# Altium PCB 3 motors 1 board.PcbDocFinal.PcbDoc
Units mil, origin at the board's own origin, x right, y up, seen from the top; angles counter-clockwise.
Board outline 4145 x 3550 mil, 4 copper layers (Top Layer, GND, PWR, Bottom Layer), stack 37.817 mil thick; 71 components, 55 nets, 301 pads, 106 vias.
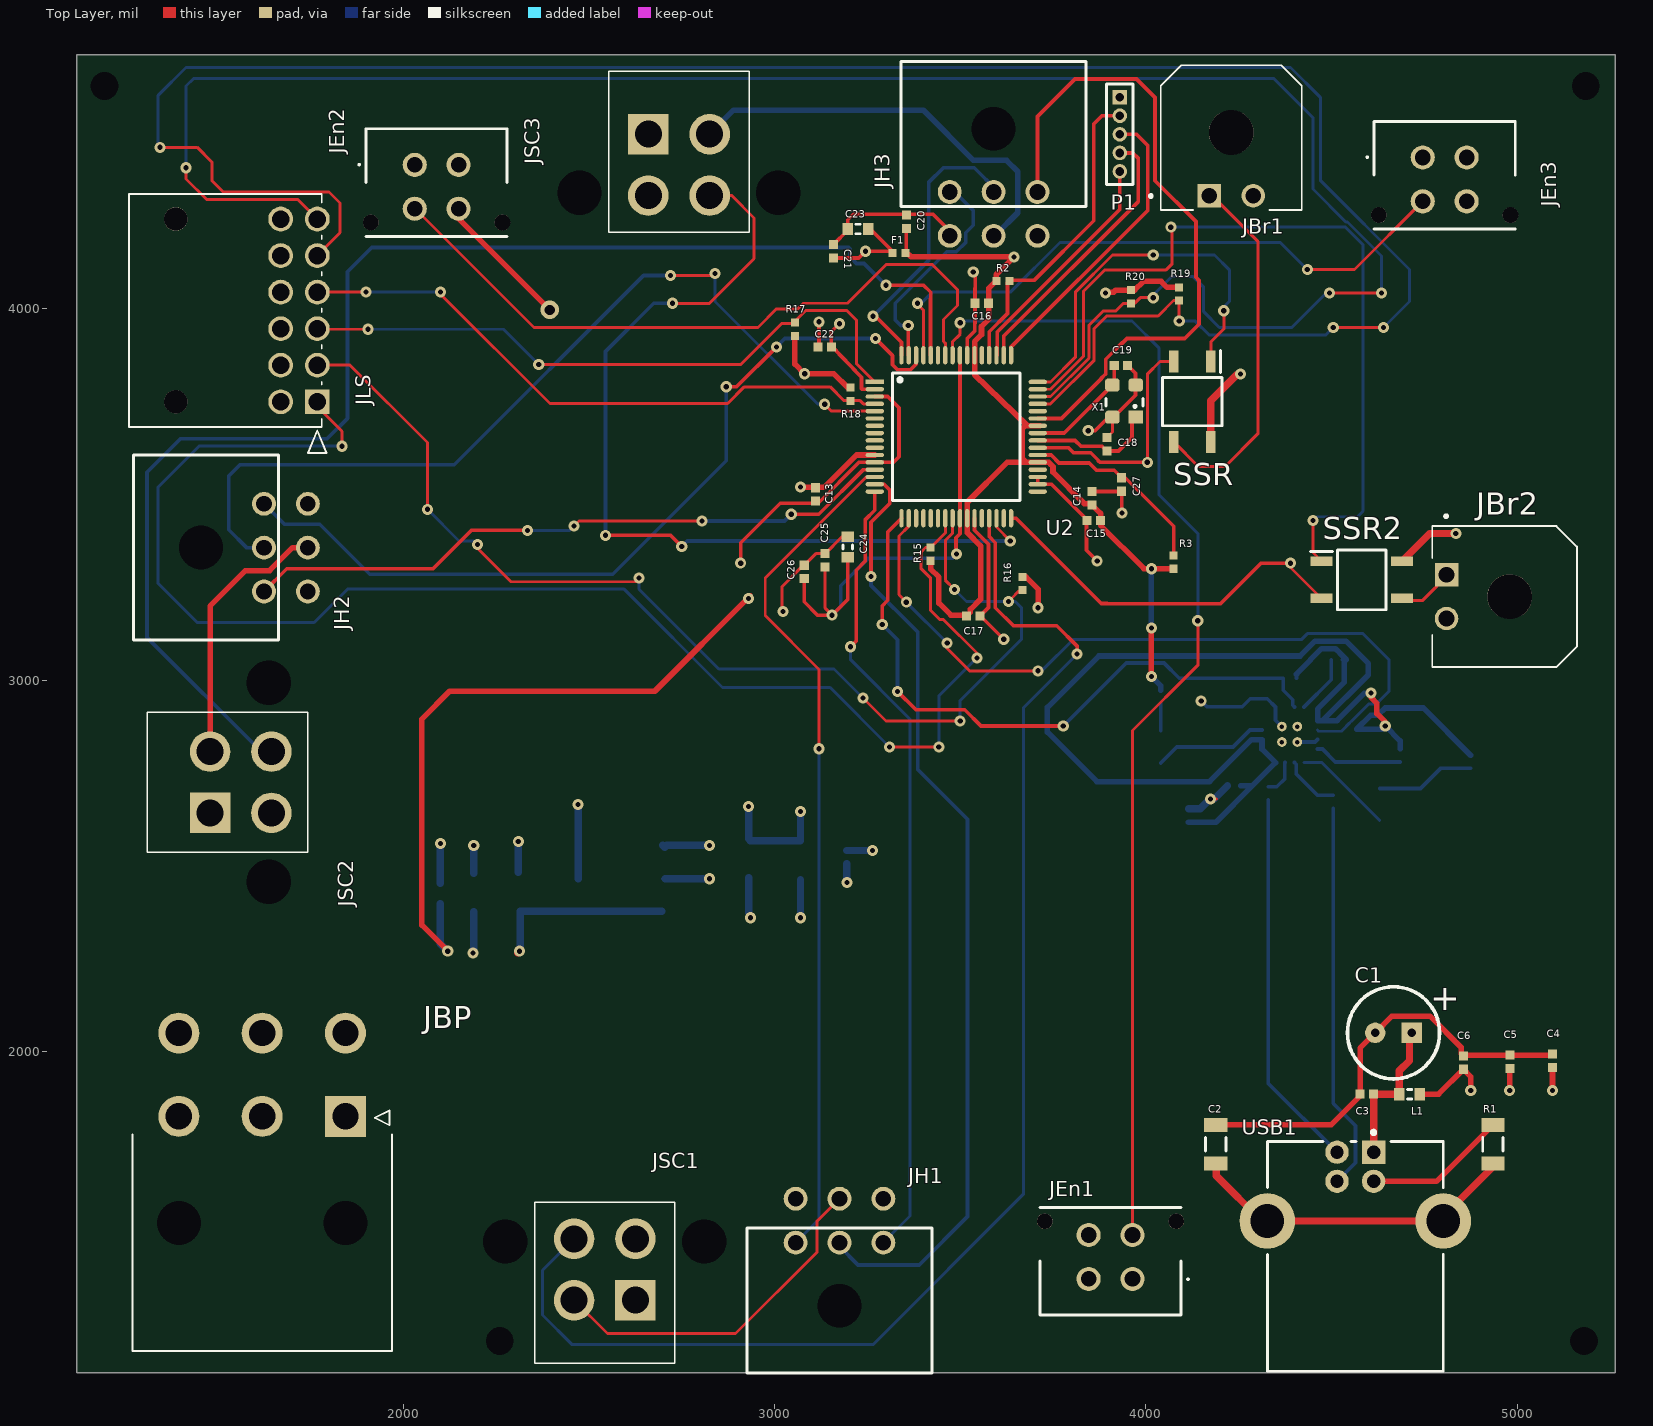
[diagram p0: Top Layer view]
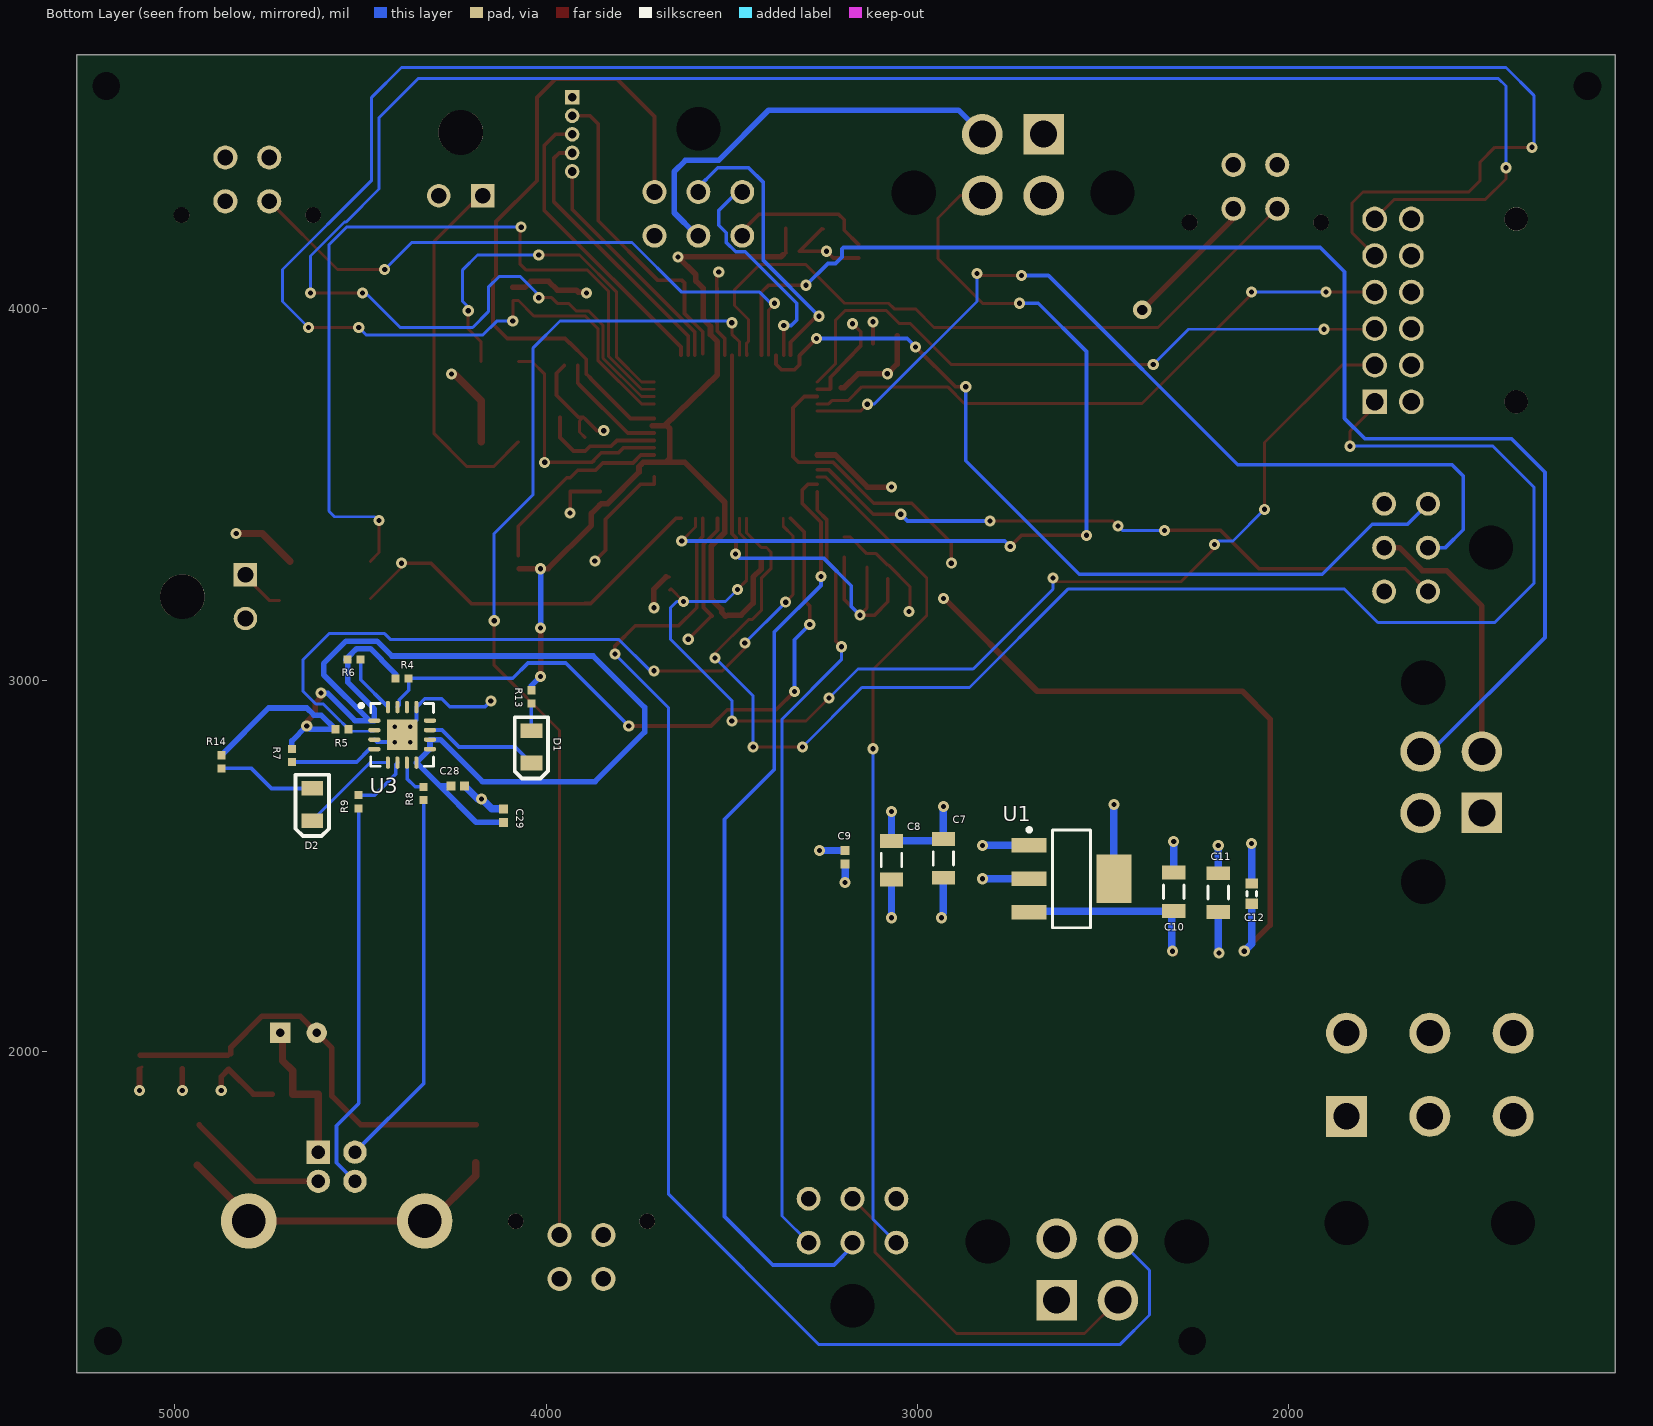
[diagram p1: Bottom Layer view, seen from below]
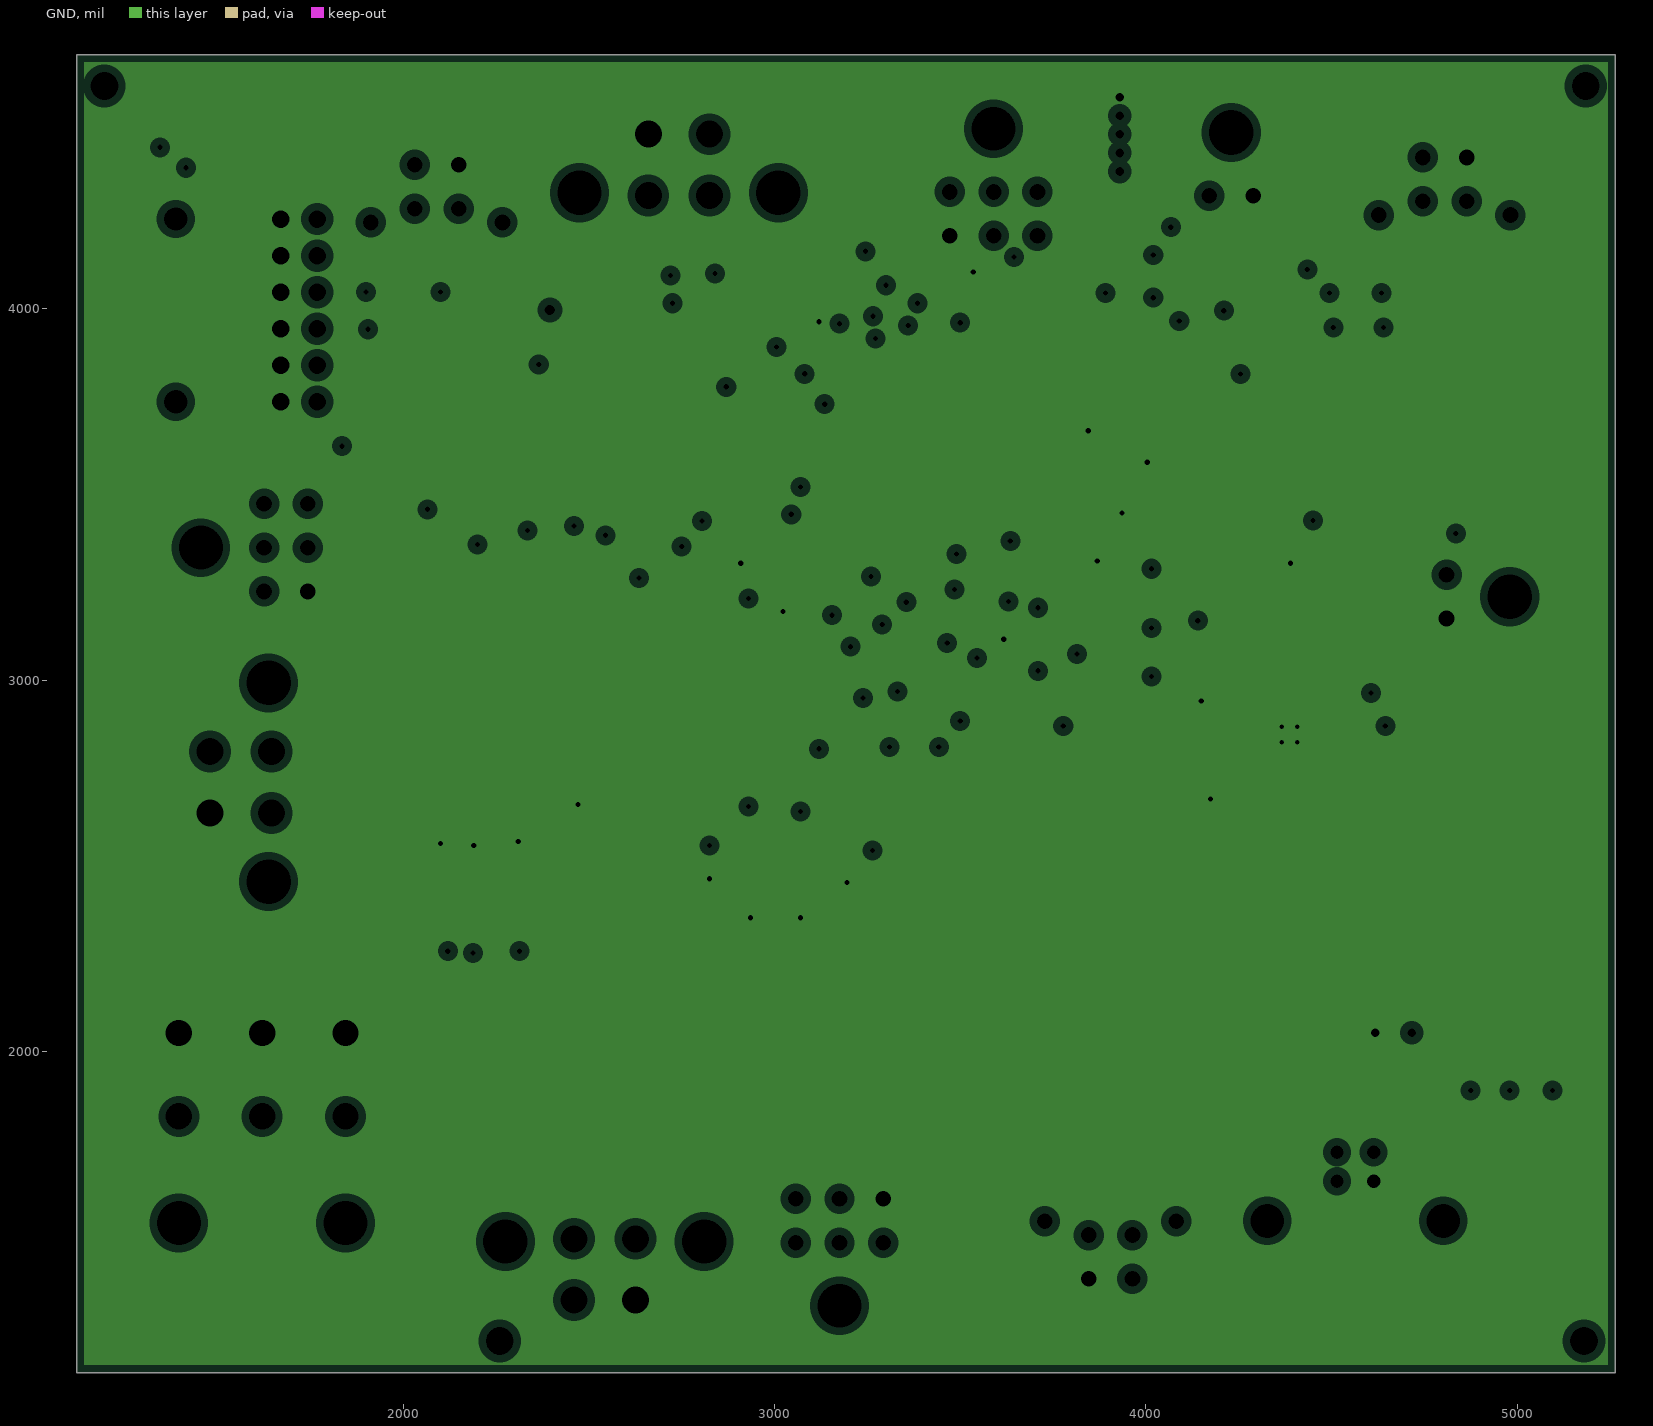
[diagram p2: GND, clearances drawn from the general rule]
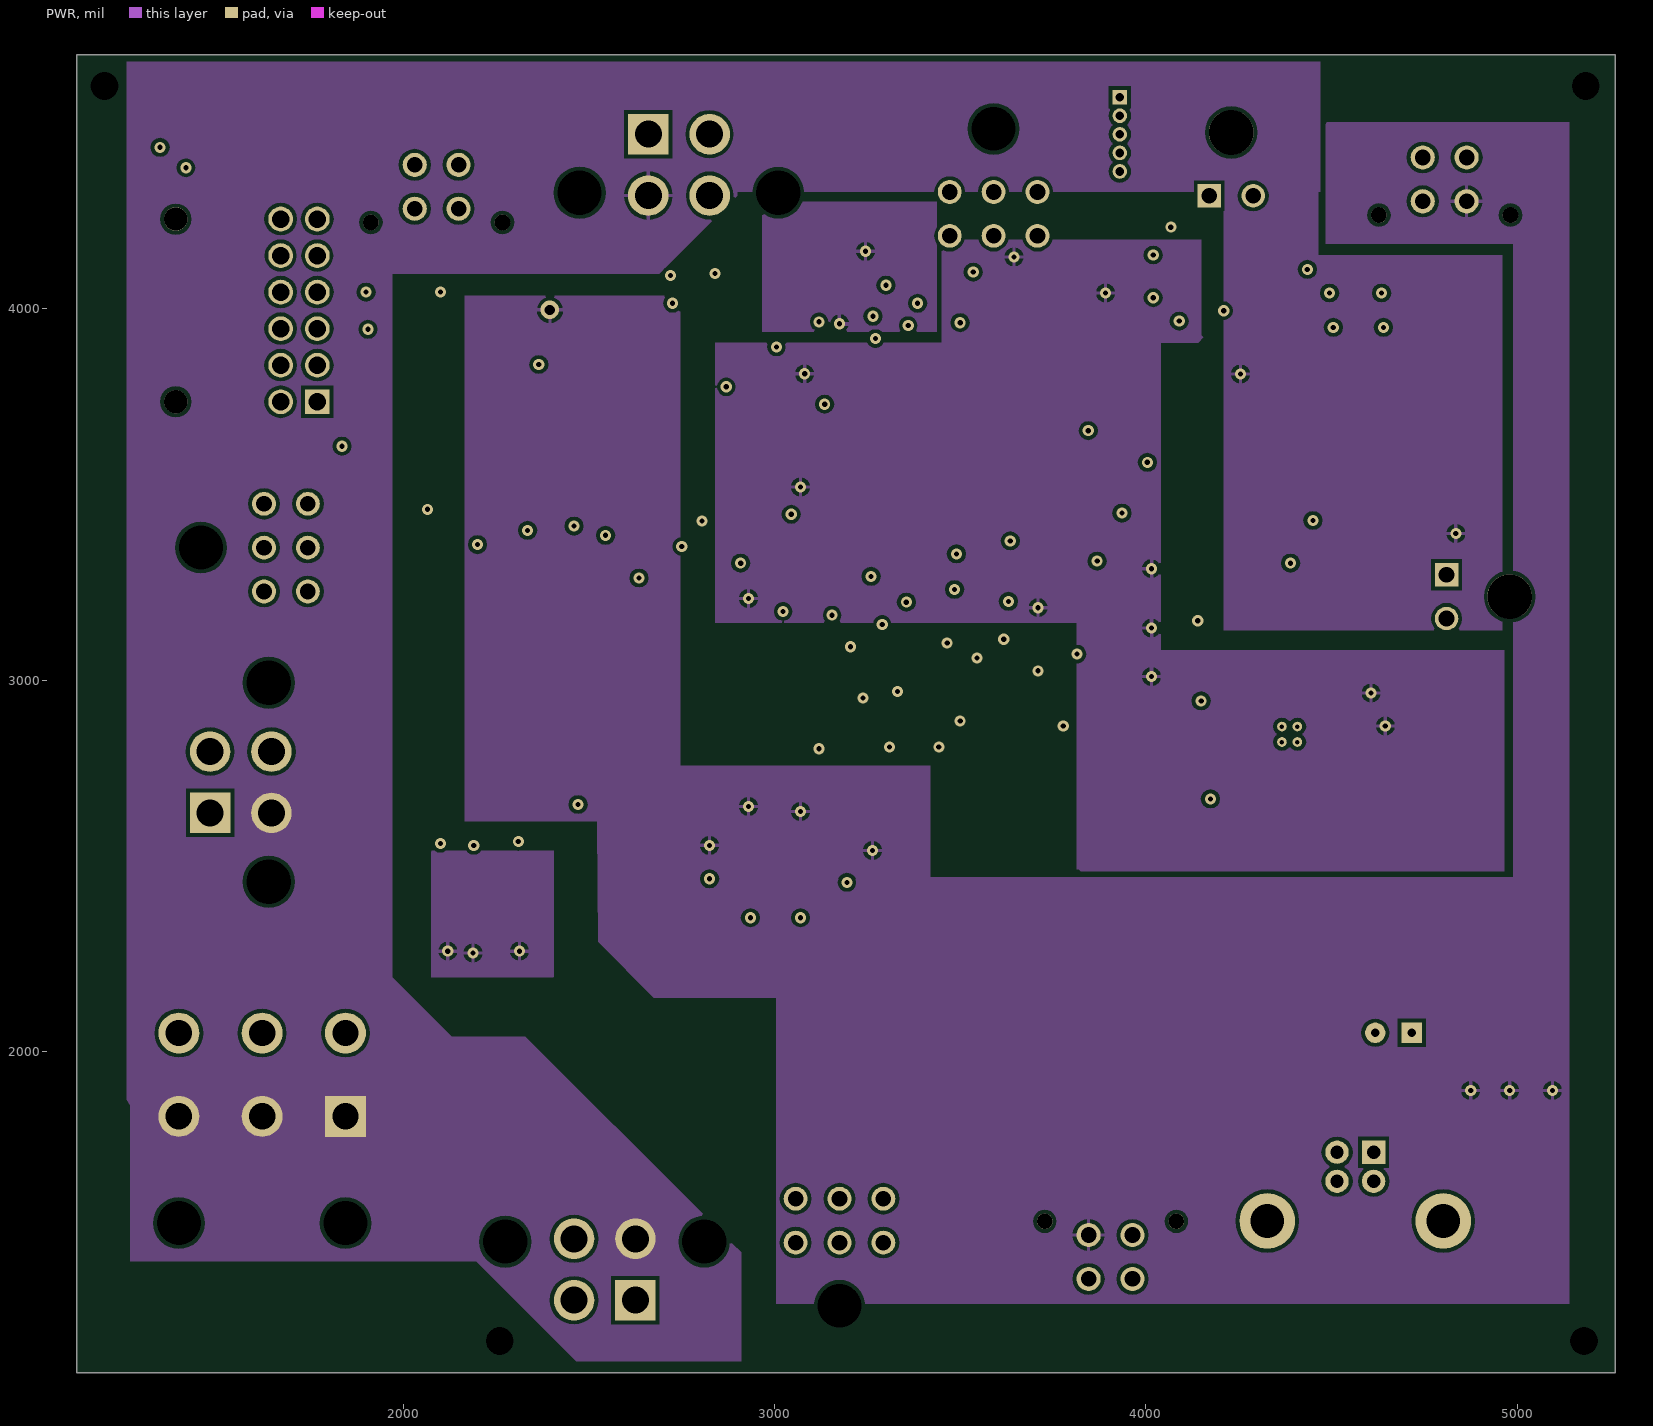
[diagram p3: PWR]
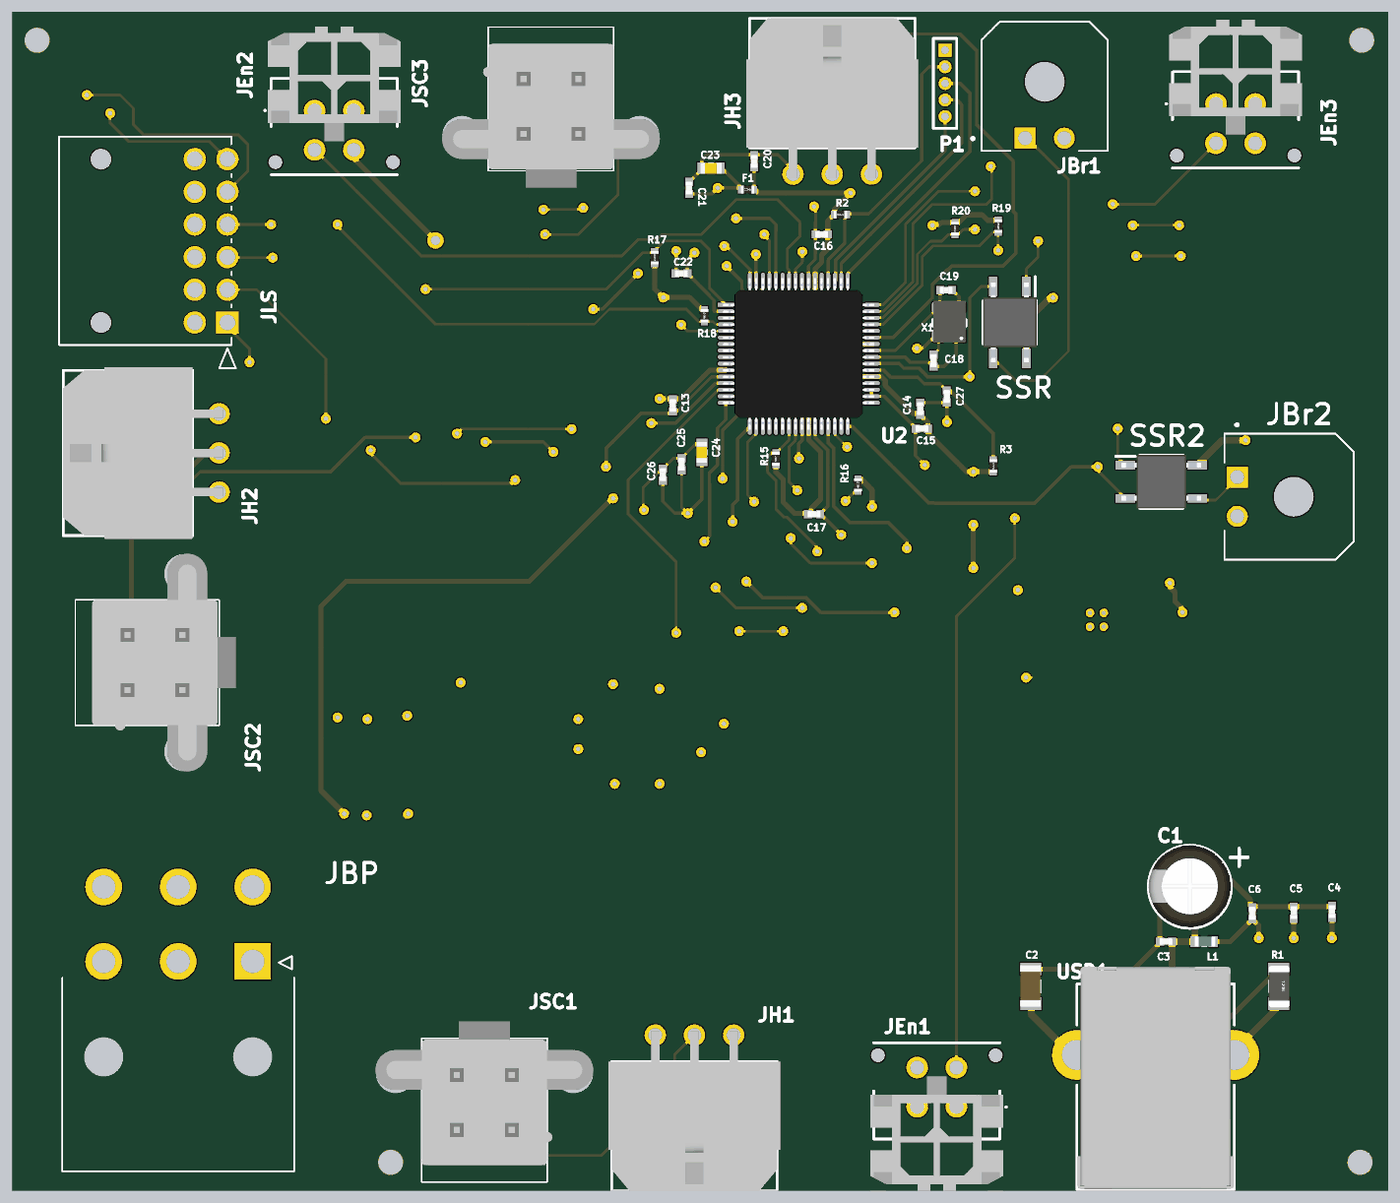
[diagram p4: 3D render of the assembled board from above, using the file's embedded part models]
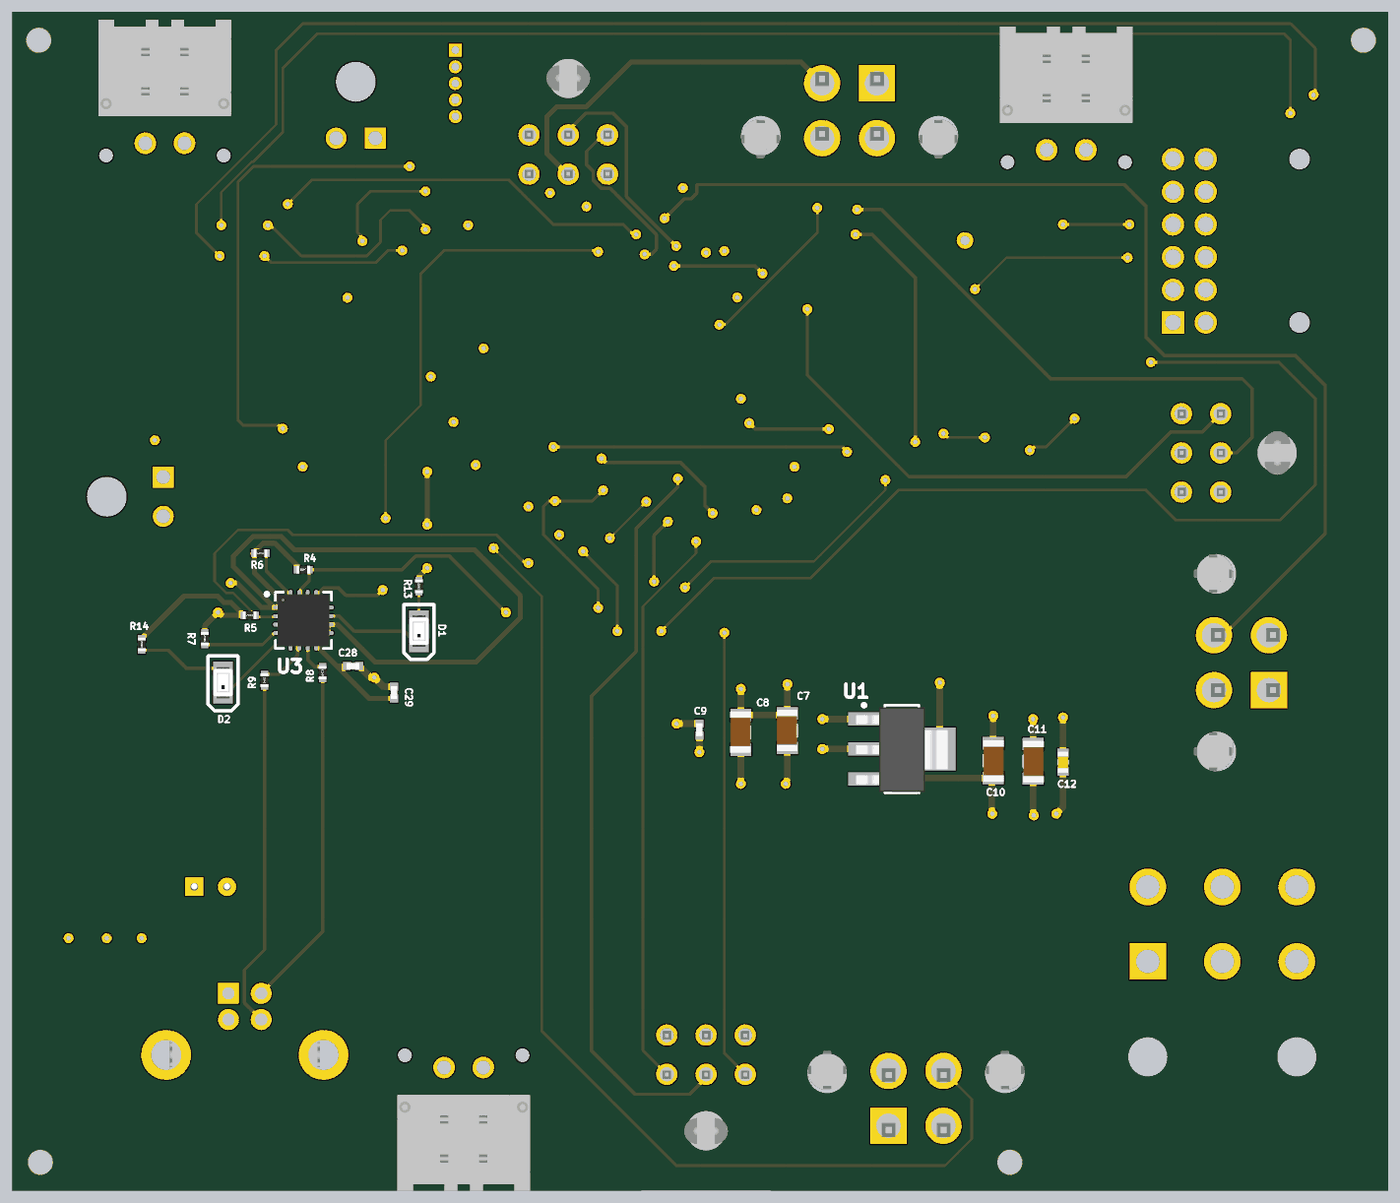
[diagram p5: 3D render of the assembled board from below, using the file's embedded part models]

## Layer stack, top to bottom
Top Solder: solder mask 0.4, Solder Resist, Dk 3.5
Top Layer: signal copper 1.4
Dielectric 3: dielectric 10, Dk 4.2
GND: plane copper 1, net GND
Dielectric 1: dielectric 12.6, FR-4, Dk 4.8
PWR: signal copper 1.417
Dielectric 2: dielectric 10, Dk 4.2
Bottom Layer: signal copper 1.4
Bottom Solder: solder mask 0.4, Solder Resist, Dk 3.5

## Board outline
1120,4685 5265,4685 5265,1135 1120,1135

## Design rules (kind name [scope] priority, off if disabled: settings)
Clearance Clearance_1 [All] p1: gap=10 ignorepadtopadclearanceinfootprint=TRUE except(0: Arc-Hole Track-Hole SMDPad-Hole THPad-Hole Via-Hole Fill-Hole Poly-Hole Region-Hole Text-Hole; 6: Arc-Arc Arc-Track Arc-SMDPad Arc-THPad Track-Track Track-SMDPad Track-THPad SMDPad-SMDPad SMDPad-THPad THPad-THPad)
Clearance [All] p2: gap=10 ignorepadtopadclearanceinfootprint=TRUE except(0: Arc-Hole Track-Hole SMDPad-Hole THPad-Hole Via-Hole Fill-Hole Poly-Hole Region-Hole Text-Hole; 6: Arc-Arc Arc-Track Arc-SMDPad Arc-THPad Track-Track Track-SMDPad Track-THPad SMDPad-SMDPad SMDPad-THPad THPad-THPad)
HoleSize [All] p1: absolutevalues=TRUE maxlimit=200 minlimit=1 maxpercent=80.000 minpercent=20.000
MinimumSolderMaskSliver [All] p1: minsoldermaskwidth=2
PlaneClearance [All] p1: clearance=20
PlaneConnect [All] p1: planeconnectstyle=Relief reliefexpansion=10 reliefentries=4 reliefconductorwidth=10 reliefairgap=8
PolygonConnect PolygonConnect_3 [All vs IsNamedPolygon('PWR-+24V 7')] p1: thpad.connectstyle=Direct thpad.reliefconductorwidth=10 thpad.reliefentries=4 thpad.polygonreliefangle="90 Angle" thpad.airgapwidth=10 smdpad.connectstyle=Relief smdpad.reliefconductorwidth=10 smdpad.reliefentries=4 smdpad.polygonreliefangle="90 Angle" smdpad.airgapwidth=10 via.connectstyle=Relief via.reliefconductorwidth=10 via.reliefentries=4 via.polygonreliefangle="90 Angle" via.airgapwidth=10
PolygonConnect PolygonConnect_2 [All vs IsNamedPolygon('PWR-+24V')] p2: connectstyle=Direct reliefconductorwidth=10 reliefentries=4 polygonreliefangle="90 Angle" airgapwidth=10
PolygonConnect PolygonConnect_1 [All vs IsNamedPolygon('PWR-+24V 1')] p3: connectstyle=Direct reliefconductorwidth=10 reliefentries=4 polygonreliefangle="90 Angle" airgapwidth=10
PolygonConnect [All] p4: connectstyle=Relief reliefconductorwidth=10 reliefentries=4 polygonreliefangle="90 Angle" airgapwidth=10
RoutingVias [All] p1: holewidth=28 width=30 viastyle="Through Hole" minholewidth=14 minwidth=30 maxholewidth=28 maxwidth=50
SilkToSilkClearance [All] p1: silktosilkclearance=2
SilkToSolderMaskClearance [IsPad] p1: minsilkscreentomaskgap=2 clearancetoexposedcopper=TRUE
SolderMaskExpansion [All] p1: expansion=4
Width [All] p1: maxlimit=20 minlimit=6 preferedwidth=10 toplayer_prefwidth=8 midlayer1_minwidth=10 bottomlayer_prefwidth=8 minimp=50.000000 maximp=50.000000 favimp=50.000000
24 further rules are at their usual default settings.

## Components (designator, comment, footprint, x,y, rotation, side; value= is the part's Value field where it differs from the comment)
C1 "100uF" CapAlu6.3mmx12.5mm 4667.18,2050 r0 top
C2 "10nF" CAP_1206 4188.43,1750 r270 top
C3 "10nF" CAP_0402_M 4595.29,1885 r0 top
C4 "100nF" CAP_0402_M 5095.29,1975 r270 top
C5 "2.2uF" CAP_0402_M 4980.29,1971.89 r270 top
C6 "2.2uF" CAP_0402_M 4855.29,1970 r270 top
C7 "100uF" CAP_1206 2930,2520 r270 bottom
C8 "100uF" CAP_1206 3070,2515 r270 bottom
C9 "1uF" CAP_0402_M 3195,2523.11 r90 bottom
C10 "100uF" CAP_1206 2310,2430 r90 bottom
C11 "100uF" CAP_1206 2190,2427.83 r90 bottom
C12 "10uF" CAP_0603 2100,2425 r90 bottom
C13 "10nF" CAP_0402_M 3110,3500 r90 top
C14 "100nF" CAP_0402_M 3855,3490 r270 top
C15 "100nF" CAP_0402_M 3860,3430 r0 top
C16 "10nF" CAP_0402_M 3558.39,4015 r0 top
C17 "100nF" CAP_0402_M 3535.14,3172.6 r180 top
C18 "13pF" CAP_0402_M 3895,3635 r270 top
C19 "13pF" CAP_0402_M 3933.11,3847.4 r180 top
C20 "100nF" CAP_0402_M 3355,4235 r270 top
C21 "10nF" CAP_0402_M 3158.79,4155 r270 top
C22 "100nF" CAP_0402_M 3135.55,3897.43 r0 top
C23 "10uF" CAP_0603 3225,4215 r0 top
C24 "2.2uF" CAP_0603 3197.44,3358.52 r270 top
C25 "1uF" CAP_0402_M 3136.37,3322.58 r270 top
C26 "100nF" CAP_0402_M 3080,3291.34 r270 top
C27 "100nF" CAP_0402_M 3935,3526.89 r90 top
C28 "100nF" CAP_0402_M 4238.11,2715 r0 bottom
C29 "100nF" CAP_0402_M 4115,2635 r270 bottom
D1 "Led Red" "TOPLED 0805" 4040,2820 r270 bottom
D2 "Led Red" "TOPLED 0805" 4630,2665 r270 bottom
F1 "550mA" RES_0402_M 3335,4150 r180 top
JBP "768250006" 768250006 1844.41,1825 r0 top
JBr1 "436500200" MOLEX_436500200 4230.04,4461.22 r180 top
JBr2 "436500200" MOLEX_436500200 4966.22,3225 r90 top
JEn1 "43045-0427" 43045-0428 3905,1290 r0 top
JEn2 "43045-0427" 43045-0428 2090,4485 r180 top
JEn3 "43045-0427" 43045-0428 4805,4505 r180 top
JH1 "43045-0600" 43045-0600 3175,1315 r0 top
JH2 "43045-0600" 43045-0600 1454.92,3356.89 r270 top
JH3 "43045-0600" 43045-0600 3590,4484.88 r180 top
JLS "1054051112" CON_1053141112 1768.43,3749.72 r270 top
JSC1 "46207-0004" 0462070004 2542.68,1495.35 r0 top
JSC2 "46207-0004" 0462070004 1645,2725 r270 top
JSC3 "46207-0004" 0462070004 2742.68,4305 r180 top
L1 "200R" IND_0603 4710.29,1885 r0 top
P1 "MHDR1X5" MHDR1X5 3930,4570 r270 top
R1 "1M" RES_1206 4935,1750 r270 top
R2 "10k" RES_0402_M 3615,4075 r0 top
R3 "10k" RES_0402_M 4075,3317.72 r90 top
R4 "10k" RES_0402_M 4388.11,3005 r0 bottom
R5 "10k" RES_0402_M 4550,2867.65 r0 bottom
R6 "10k" RES_0402_M 4517.28,3055 r0 bottom
R7 "10k" RES_0402_M 4685,2797.28 r90 bottom
R8 "27" RES_0402_M 4330,2695 r90 bottom
R9 "27" RES_0402_M 4505,2672.28 r90 bottom
R13 "120" RES_0402_M 4040,2955 r90 bottom
R14 "120" RES_0402_M 4875,2780 r90 bottom
R15 "150" RES_0402_M 3420.59,3339.23 r270 top
R16 "150" RES_0402_M 3667.72,3260 r90 top
R17 "150" RES_0402_M 3055,3945 r270 top
R18 "150" RES_0402_M 3205,3770 r90 top
R19 "150" RES_0402_M 4090,4040 r90 top
R20 "150" RES_0402_M 3960,4032.72 r90 top
SSR "CPC1017NTR" SOP254P610X216-4N 4125,3750 r270 top
SSR2 "CPC1017NTR" SOP254P610X216-4N 4581.73,3270 r0 top
U1 "MCP1825S-3302E/DB" SOT230P700X180-4N 2585,2465 r180 bottom
U2 "TM4C123GH6PMI" TSQFP50P1200X1200X120-64N 3341.85,3875 r0 top
U3 "FT230XQ" QFN65P400X400X80_HS-17N 4387.79,2852.67 r180 bottom
USB1 "USB type-B jack" USB2.5-2H4E 4564.19,1689.37 r270 top
X1 "CRYSTAL 16MHZ" CRYSTAL_3.2x2.5 3972.99,3708.39 r180 top
